# KiCad board gd MegaII proto pcb.kicad_pcb (continued)
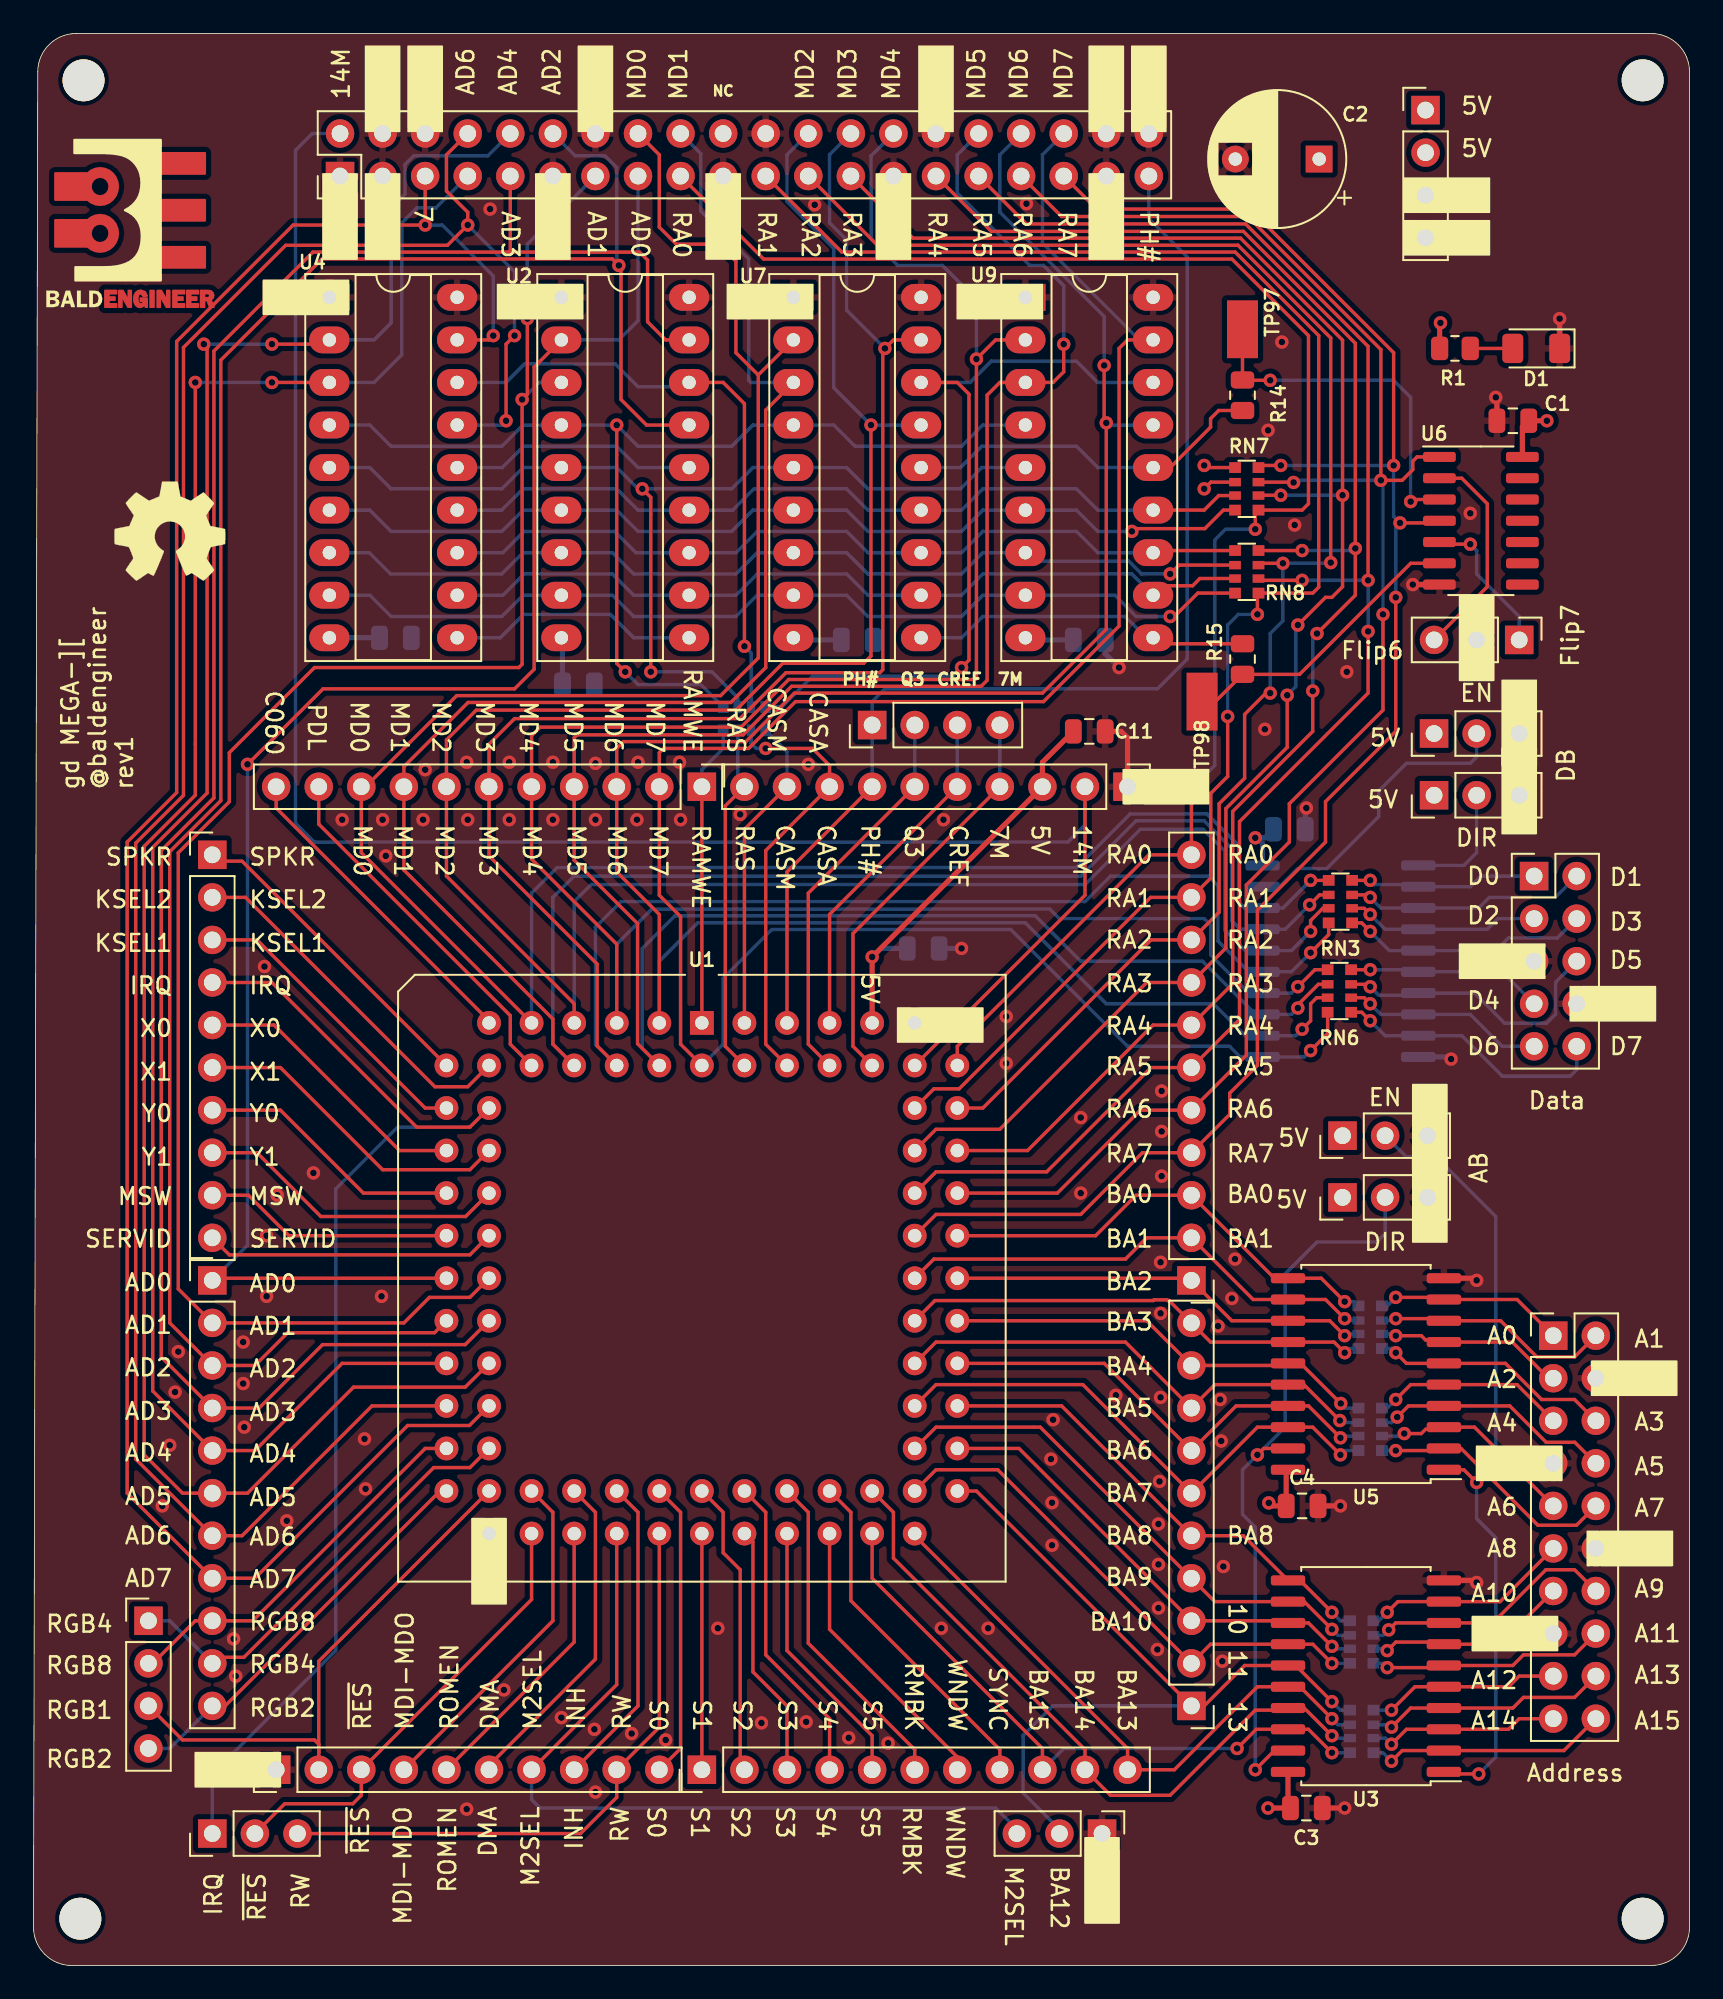
[diagram p0: board, top side]
## Routing (per net, layer and track width the routed paths; a pad name or vN(x,y) marks a point on that pad's centre or on a via; arc(x,y) is an arc through that point)
+5V: length 51.3
  Top w0.305: v1(73.7,27.61) 73.88,27.43 C4.1 74.74,29.48 U5.20 ; U1.77 v1(50.04,60.2) JP12.3 60.2,71.82 C11.1 ; v1(73.66,9.4) C3.1 74.85,9.54 U3.20 ; R1.1 83.9,98 v1(83.95,98.04) ; v1(90.3,92.2) C1.1 88.84,91.82 U6.14
  Bottom w0.305: C5.1 31.56,79.18 U2.9 ; 73.33,65.66 73.33,66.98 73,67.31 v1(72.9,67.31) 73.47,67.31 C8.1 ; U9.9 59.31,79.12 C9.1 ; C10.1 50.55,60.71 v1(50.04,60.2) ; C7.1 U4.9 ; 48.2,79.12 45.47,79.12 U7.9
GND: length 22.5
  Top w0.305: 84.15,22.99 85.98,22.99 v1(86.11,22.86) ; v1(91.06,98.3) 91.06,98.3 D1.1 ; C4.2 v1(77.98,27.43) ; U5.10 85.98,41.02 v1(86.11,40.89) ; C3.2 v1(78.23,9.4) ; v1(87.25,93.6) 87.31,93.53 C1.2 ; U6.7 v1(82.3,82.42) ; JP12.1 65.28,73.28 64.9,73.66 C11.2
  Bottom w0.305: v1(84.58,54.1) 84.45,54.23 U8.10 ; C8.2 75.88,69.02 v1(75.95,69.09) ; v1(64.77,77.47) 63.94,78.3 C9.2 ; C10.2 v1(55.37,60.71)
  vias: v1(7.68,27.43) v1(8.13,31.05) v1(8.45,34.23) v1(8.64,36.64) v1(11.94,19.49) v1(12.06,17.27) v1(12.51,37.21) v1(12.51,34.73) v1(12.57,32.13) v1(13.78,59.63) v1(13.91,43.56) v1(13.91,39.94) v1(14.54,45.97) v1(15.11,26.54) v1(16.7,47.31) v1(18.41,68.39) v1(19.75,31.43) v1(19.81,28.45) v1(20.76,39.94) v1(20.83,68.39) v1(21.02,66.23) v1(23.24,68.39) v1(23.37,71.37) v1(25.84,71.82) v1(25.84,9.33) v1(25.91,68.39) v1(27.24,104.84) v1(28.07,16.45) v1(28.38,71.82) v1(28.38,68.39) v1(30.99,71.82) v1(30.99,68.39) v1(31.5,14.8) v1(33.46,14.1) v1(33.53,71.76) v1(33.53,68.39) v1(33.53,10.35) v1(35.69,13.84) v1(36.07,71.82) v1(36,68.39) v1(37.72,13.46) v1(38.54,71.82) v1(38.61,68.39) v1(40.83,20.13) v1(42.16,68.71) v1(43.43,14.48) v1(46.1,14.54) v1(46.23,71.69) v1(46.61,105.09) v1(48.64,13.59) v1(50.99,13.27) v1(54.17,20.13) v1(54.29,68.39) v1(56.96,20.13) v1(58.04,56.64) v1(58.04,53.85) v1(59.25,105.16) v1(60.71,30.23) v1(60.77,27.62) v1(60.77,25.08) v1(60.83,32.58) v1(62.48,50.61) v1(62.48,46.1) v1(64.58,34.04) v1(67.06,18.86) v1(67.18,28.89) v1(67.12,26.35) v1(67.12,23.94) v1(67.12,21.34) v1(67.25,41.97) v1(67.25,38.93) v1(67.25,33.91) v1(67.31,52.2) v1(67.31,49.78) v1(67.31,47.12) v1(70.68,38.16) v1(70.8,33.78) v1(70.87,31.31) v1(70.93,18.16) v1(70.99,23.81) v1(71.5,39.81) v1(71.69,42.16) v1(73.47,73.79) v1(73.66,91.63) v1(74.49,96.9) v1(75.25,85.98) v1(78.36,77.22) v1(85.72,86.68)
/7M: length 24.4
  Top w0.203: 50.04,53.72 48.89,54.86 48.89,61.6 JP12.4
  Bottom w0.203: J12.4 JP12.4
/14M: length 114.4
  Top w0.203: 52.58,53.72 62.74,63.88 JP12.2
  Bottom w0.203: J7.2 16.64,109.35 15.63,108.34 15.63,68.19 16.76,67.06 61.72,67.06 62.74,68.07 JP12.2
/A0: length 11.4
  Top w0.203: J9.1 88.52,39.75 U5.9 84.03,39.88 v1(81.28,39.88)
  Bottom w0.203: RN1.1 80.77,39.37 v1(81.28,39.88)
/A1: length 14.3
  Top w0.203: v1(81.28,38.61) 84.03,38.61 U5.8 87.54,38.48 89.7,36.32 91.95,36.32 J9.2
  Bottom w0.203: v1(81.28,38.61) 81.17,38.5 RN1.2
/A2: length 11.3
  Top w0.203: J9.3 90.39,35.05 88.24,37.21 U5.7 84.03,37.34 83.06,37.34 82.8,37.59 v1(81.28,37.59)
  Bottom w0.203: RN1.3 81.17,37.7 v1(81.28,37.59)
/A3: length 14.6
  Top w0.203: J9.6 91.95,33.78 89.98,33.78 87.82,35.94 U5.6 81.91,35.94 v1(81.28,36.58)
  Bottom w0.203: RN1.4 81.03,36.83 v1(81.28,36.58)
/A4: length 11.7
  Top w0.203: J9.5 88.52,34.67 U5.5 82.17,34.67 v1(81.28,33.78)
  Bottom w0.203: v1(81.28,33.78) 80.77,33.27 RN4.1
/A5: length 14.6
  Top w0.203: J9.8 91.96,31.23 90.25,31.23 88.08,33.4 U5.4 82.04,33.4 v1(81.37,32.73)
  Bottom w0.203: RN4.2 81.04,32.4 v1(81.37,32.73)
/A6: length 12.4
  Top w0.203: v1(81.79,31.75) 82.8,31.75 83.06,32 84.03,32 U5.3 85.98,32.13 J9.9
  Bottom w0.203: v1(81.79,31.75) 81.64,31.6 RN4.3
/A7: length 15.2
  Top w0.203: v1(81.28,30.73) 84.03,30.73 U5.2 85.18,30.86 89.76,26.28 92.06,26.28 J9.10
  Bottom w0.203: RN4.4 v1(81.28,30.73)
/A8: length 12.5
  Top w0.203: J9.11 87.5,21.72 U3.9 81.41,21.72 v1(80.77,21.08)
  Bottom w0.203: v1(80.77,21.08) 80.26,20.57 RN2.1
/A9: length 15.4
  Top w0.203: v1(80.86,20.03) 81.27,20.45 U3.8 87.06,20.45 90.24,23.62 91.95,23.62 J9.14
  Bottom w0.203: RN2.2 80.53,19.7 v1(80.86,20.03)
/A10: length 12.4
  Top w0.203: J9.13 87.5,19.18 U3.7 84.03,19.3 81.28,19.3 v1(80.77,18.8)
  Bottom w0.203: RN2.3 80.66,18.9 v1(80.77,18.8)
/A11: length 14.2
  Top w0.203: v1(80.77,17.78) 84.03,17.78 U3.6 88.26,17.91 88.9,18.54 91.95,18.54 J9.16
  Bottom w0.203: RN2.4 80.52,18.03 v1(80.77,17.78)
/A12: length 11.6
  Top w0.203: J9.17 88.65,17.27 88.01,16.64 82.42,16.64 v1(81.03,15.24)
  Bottom w0.203: RN5.1 v1(81.03,15.24)
/A13: length 14.6
  Top w0.203: J9.18 91.95,16 88.9,16 88.26,15.37 U3.4 82.17,15.37 v1(81.03,14.22)
  Bottom w0.203: RN5.2 80.88,14.37 v1(81.03,14.22)
/A14: length 11.5
  Top w0.203: J9.19 88.65,14.73 88.01,14.1 U3.3 81.91,14.1 v1(81.03,13.21)
  Bottom w0.203: v1(81.03,13.21) 80.66,13.57 RN5.3
/A15: length 14.5
  Top w0.203: J9.20 91.31,12.83 U3.2 81.66,12.83 v1(81.03,12.19)
  Bottom w0.203: RN5.4 80.52,12.7 v1(81.03,12.19)
/ABDIR: length 47.6
  Top w0.203: v1(86.23,11.43) 84.28,11.43 U3.1 ; v1(86.11,28.83) 85.34,29.59 U5.1
  Bottom w0.203: v1(86.23,11.43) 87.25,12.45 87.25,25.53 86.11,26.67 v1(86.11,28.83) 87.25,29.97 87.25,44.7 83.68,48.27 81.9,48.27 J1.2
/ABEN: length 44.5
  Top w0.203: U5.19 73.41,30.86 v1(73.03,30.48) ; U3.19 74.04,12.83 v1(72.9,11.68)
  Bottom w0.203: v1(72.9,11.68) 72.9,26.16 72.14,26.92 72.14,29.59 v1(73.03,30.48) 74.68,32.13 74.68,41.28 76.58,43.18 80.14,43.18 80.64,43.69 J2.2
/AD0: length 99.2
  Top w0.203: v1(12.77,71.69) 17.27,76.2 28.7,76.2 29.87,77.37 29.87,95.4 U2.2 ; U1.22 10.79,41.02 JP4.1
  Bottom w0.203: U2.2 34.92,97.03 36.07,98.17 J7.15 ; v1(12.77,71.69) 12.77,42.99 JP4.1
/AD1: length 107.1
  Top w0.203: v1(29.46,98.3) 29.46,93.78 v1(29.15,93.47) 29.15,77.67 28.96,77.47 16.76,77.47 11.68,72.39 11.68,69.46 8.64,66.41 8.64,40.39 JP4.2 22.1,38.35 23.62,39.88 26.03,39.88 U1.23
  Bottom w0.203: v1(29.46,98.3) 29.46,102.74 J7.13 ; U2.3 30.17,94.49 v1(29.15,93.47)
/AD2: length 127.1
  Top w0.203: U1.24 23.93,37.77 15.16,37.77 13.21,35.81 JP4.3 8.13,38.35 8.13,66.48 11.18,69.53 11.18,95.82 17.21,101.86 34.54,101.86 v1(34.92,101.47) 35.05,101.35 35.05,93.47 36.58,91.95 U2.15
  Bottom w0.203: v1(34.92,101.47) 34.8,101.6 34.8,107.32 34.1,108.01 32.32,108.01 J7.12
/AD3: length 124
  Top w0.203: U2.17 37.72,97.03 36.64,98.11 36.64,101.79 36.16,102.27 28.35,102.27 ; 28.35,102.27 16.67,102.27 10.76,96.36 10.76,69.69 7.62,66.55 7.62,36.32 JP4.4 13.46,33.27 17.25,37.06 25.76,37.06 U1.25 ; 28.35,102.27 28.45,102.36 J7.9
/AD4: length 113.6
  Top w0.203: 24.64,35.94 18.41,35.94 13.21,30.73 JP4.5 7.11,34.29 7.11,66.74 10.36,69.98 10.36,96.58 v1(10.16,96.77) ; v1(14.22,96.77) 17.4,96.77 U4.2
  Bottom w0.203: v1(10.16,96.77) v1(14.22,96.77) ; J7.10 27.11,108.01 22.68,108.01 22.16,107.49 22.16,105.73 21.34,104.9 21.34,98.04 20.32,97.03 U4.2
/AD5: length 116
  Top w0.203: v1(14.22,94.49) U4.3 ; 27.18,35.94 25.76,34.52 19.09,34.52 12.77,28.19 JP4.6 8.89,28.19 6.6,30.48 6.6,66.8 9.65,69.85 v1(9.65,94.49)
  Bottom w0.203: J7.7 24,104.9 22.86,104.9 21.97,104.01 21.97,96.14 20.32,94.49 U4.3 ; v1(9.65,94.49) v1(14.22,94.49)
/AD6: length 133.8
  Top w0.203: U1.28 20.19,33.4 12.45,25.65 JP4.7 6.1,30.23 6.1,66.99 8.95,69.84 8.95,96.58 15.04,102.67 24.7,102.67 v1(25.91,103.89) 25.91,104.65 24.64,105.92 24.64,108.08 J7.8 ; v1(28.19,92.2) 28.19,96.77 v1(28.7,97.28)
  Bottom w0.203: v1(25.91,103.89) 28.7,101.09 v1(28.7,97.28) ; v1(28.19,92.2) 27.94,91.95 U4.15
/AD7: length 129.7
  Top w0.203: U4.17 27.18,97.03 v1(27.43,97.28) ; J7.5 v1(23.37,103.89) 15.49,103.89 8.54,96.93 8.54,70.01 5.59,67.06 5.59,28.19 JP4.8 13.21,23.11 22.33,32.23 26.01,32.23 U1.29
  Bottom w0.203: v1(23.37,103.89) 24.38,103.89 27.43,100.84 v1(27.43,97.28)
/BA0: length 27.7
  Top w0.203: U1.66 63.37,43.56 65.79,45.97 JP15.3 74.04,41.02 U5.11 76.84,41.02 v1(78.23,39.62)
  Bottom w0.203: RN1.8 78.8,39.62 v1(78.23,39.62)
/BA1: length 29.5
  Top w0.203: v1(78.23,38.61) 77.09,39.75 U5.12 72.77,39.75 JP15.2 66.42,43.43 65.15,42.16 53.72,42.16 U1.65
  Bottom w0.203: RN1.7 78.34,38.5 v1(78.23,38.61)
/BA2: length 25.4
  Top w0.203: U1.64 68.96,41.02 JP15.1 71.5,38.48 U5.13 77.34,38.48 v1(78.23,37.59)
  Bottom w0.203: RN1.6 78.34,37.7 v1(78.23,37.59)
/BA3: length 28.4
  Top w0.203: U1.63 53.78,39.69 66.82,39.69 66.86,39.73 67.63,39.73 67.68,39.69 67.75,39.69 JP16.10 70.23,37.21 U5.14 77.6,37.21 v1(78.23,36.58)
  Bottom w0.203: v1(78.23,36.58) 78.49,36.83 RN1.5
/BA4: length 26.2
  Top w0.203: v1(78,33.55) 75.6,35.94 U5.15 74.72,35.81 JP16.9 66.42,38.48 U1.62
  Bottom w0.203: v1(78,33.55) 78.27,33.27 RN4.8
/BA5: length 30.2
  Top w0.203: v1(77.94,32.53) 75.8,34.67 U5.16 70.48,34.67 JP16.8 65.15,37.21 53.85,37.21 52.58,35.94
  Bottom w0.203: RN4.7 78.07,32.4 v1(77.94,32.53)
/BA6: length 28
  Top w0.203: v1(77.98,31.5) 76.07,33.4 U5.17 71.75,33.4 JP16.7 63.88,35.94 55.12,35.94
  Bottom w0.203: v1(77.98,31.5) 78.09,31.6 RN4.6
/BA7: length 32.1
  Top w0.203: v1(77.98,30.48) 76.33,32.13 U5.18 73.03,32.13 JP16.6 62.61,34.67 53.85,34.67 U1.59
  Bottom w0.203: v1(77.98,30.48) 78.23,30.73 RN4.5
/BA8: length 28.7
  Top w0.203: U1.58 61.34,33.4 JP16.5 72.19,25.65 74.85,22.99 75.56,22.99 v1(77.47,21.08)
  Bottom w0.203: RN2.8 77.98,20.57 v1(77.47,21.08)
/BA9: length 31.6
  Top w0.203: v1(77.47,20.07) 75.82,21.72 U3.12 70.48,21.72 JP16.4 60.07,32.13 53.85,32.13 U1.57
  Bottom w0.203: v1(77.47,20.07) 77.83,19.7 RN2.7
/BA10: length 28.4
  Top w0.203: v1(77.47,19.05) 76.07,20.45 U3.13 74.72,20.57 JP16.3 58.8,30.86 U1.56
  Bottom w0.203: v1(77.47,19.05) 77.62,18.9 RN2.6
/BA11: length 32.2
  Top w0.203: v1(77.47,18.03) 76.33,19.18 U3.14 70.23,19.18 JP16.2 57.53,29.59 53.85,29.59 U1.55
  Bottom w0.203: RN2.5 v1(77.47,18.03)
/BA12: length 48.5
  Top w0.203: U1.54 56.26,28.32 JP16.1 69.85,15.49 72.26,17.91 U3.15 75.31,17.91 v1(77.47,15.75)
  Bottom w0.203: JP16.1 60.81,15.49 59.04,13.73 59.04,10.3 61.47,7.87 ; v1(77.47,15.75) 77.98,15.24 RN5.8
/BA13: length 35.6
  Top w0.203: v1(77.47,14.73) 75.56,16.64 73.03,16.64 68.07,11.68 JP11.11 65.28,12.95 52.58,25.65 U1.53
  Bottom w0.203: RN5.7 77.83,14.37 v1(77.47,14.73)
/BA14: length 41.2
  Top w0.203: v1(77.47,13.72) 75.82,15.37 U3.17 74.72,15.24 72.9,15.24 67.82,10.16 64.26,10.16 JP11.10 62.74,12.89 51.31,24.32 51.31,27.05 U1.52
  Bottom w0.203: RN5.6 77.62,13.57 v1(77.47,13.72)
/BA15: length 38.2
  Top w0.203: U1.51 50.04,23.11 60.2,12.95 JP11.9 ; v1(71.81,12.95) 72.96,14.1 U3.18 76.07,14.1 v1(77.47,12.7)
  Bottom w0.203: v1(71.81,12.95) 61.47,12.95 JP11.9 ; RN5.5 v1(77.47,12.7)
/C060-67: length 19.4
  Top w0.203: U1.11 27.18,56.39 14.48,69.09 JP8.11
/CASA: length 26
  Top w0.203: 44.96,53.72 43.69,54.99 43.69,66.55 JP12.8 47.5,71.63 46.48,72.64 v1(43.69,72.64)
  Bottom w0.203: v1(43.69,72.64) 43.12,72.64 42.82,72.95 RN9.2
/CASA.B: length 37.1
  Top w0.203: v1(42.42,78.74) 42.42,93.22 41.15,94.49 U2.16
  Bottom w0.203: RN9.7 42.82,78.34 v1(42.42,78.74) ; U2.16 38.86,94.23 36.07,94.23 34.71,95.59 29.3,95.59 28.19,94.49 U4.16
/CASM: length 19
  Top w0.203: U1.83 42.42,67.82 JP12.9
  Bottom w0.203: JP12.9 44.96,72.45 RN9.1
/CASM.B: length 47.2
  Top w0.203: U7.16 55.12,94.49 55.82,93.79 55.82,77.91 v1(55.37,77.47)
  Bottom w0.203: U7.16 55.88,94.49 57.15,95.76 62.23,95.76 63.5,94.49 U9.16 ; RN9.8 44.64,75.12 46.48,76.96 54.86,76.96 v1(55.37,77.47)
/CREF: length 20.9
  Top w0.203: U1.79 47.5,62.74 JP12.5
  Bottom w0.203: J12.3 JP12.5
/D0: length 11.3
  Top w0.203: RN3.4 v1(79.76,64.77)
  Bottom w0.203: v1(79.76,64.77) 80.01,64.52 82.5,64.52 U8.2 85.72,64.39 86.36,65.02 J10.1
/D1: length 14.5
  Top w0.203: RN3.3 79.61,63.9 v1(79.76,63.75)
  Bottom w0.203: v1(79.76,63.75) 80.39,63.12 U8.3 86.23,63.12 86.87,63.75 90.81,63.75 J10.2
/D2: length 11.6
  Top w0.203: v1(79.76,62.74) 79.39,63.1 RN3.2
  Bottom w0.203: J10.3 87.38,62.48 86.74,61.85 U8.4 80.64,61.85 v1(79.76,62.74)
/D3: length 14.9
  Top w0.203: v1(79.76,61.72) 79.25,62.23 RN3.1
  Bottom w0.203: J10.4 90.92,61.33 88,61.33 87.25,60.58 80.9,60.58 v1(79.76,61.72)
/D4: length 11.8
  Top w0.203: RN6.4 v1(79.76,59.44)
  Bottom w0.203: J10.7 87.63,59.31 U8.6 82.5,59.44 v1(79.76,59.44)
/D5: length 17.2
  Top w0.203: RN6.3 79.61,58.57 v1(79.76,58.42)
  Bottom w0.203: v1(79.76,58.42) 80.26,57.91 82.5,57.91 U8.7 85.98,58.04 87.77,56.25 90.29,56.25 90.82,56.78 90.82,58.69 J10.6
/D6: length 12.1
  Top w0.203: v1(79.76,57.4) 79.39,57.77 RN6.2
  Bottom w0.203: J10.9 87.63,54.86 85.72,56.77 U8.8 80.39,56.77 v1(79.76,57.4)
/D7: length 16.6
  Top w0.203: RN6.1 79.25,56.9 v1(79.76,56.39)
  Bottom w0.203: J10.10 92.07,53.47 91.69,53.09 87.63,53.09 85.22,55.5 80.64,55.5 v1(79.76,56.39)
/DBDIR: length 7.2
  Bottom w0.203: 82.63,65.66 85.34,65.66 86.11,66.42 J4.2
/DBEN: length 18.3
  Bottom w0.203: J5.2 86.11,72.14 85.72,71.76 81.91,71.76 80.26,70.1 80.26,68.58 77.16,65.47 75.44,65.47 74.35,64.39 U8.19
/DMA: length 19.8
  Top w0.203: U1.38 33.53,27.05 33.53,18.29 27.18,11.94 JP7.6
/FLIP6: length 12.9
  Top w0.203: J3.3 86.74,82.3 86.74,87.25 85.22,88.77 U6.2
/FLIP7: length 8.8
  Top w0.203: v1(85.72,84.84) 84.01,84.84 U6.5
  Bottom w0.203: v1(85.72,84.84) 86.11,84.46 86.11,83.06 88.65,80.52 J3.1
/INH: length 18.7
  Top w0.203: JP7.8 36.07,15.49 36.07,27.05 U1.40
/IRQ: length 73.2
  Top w0.203: U1.15 26.03,50.04 22.86,50.04 14.22,58.67 JP3.4
  Bottom w0.203: U1.15 26.03,50.04 21.72,50.04 18.03,46.36 18.03,18.8 10.67,11.43 J6.1
/KSEL1: length 21.7
  Top w0.203: 27.18,53.72 25.91,52.45 23.95,52.45 12.65,63.75 JP3.2
/KSEL2: length 18.1
  Top w0.203: JP3.3 13.33,61.21 23.37,51.18 U1.14
/M2SEL: length 48
  Top w0.203: JP7.7 34.8,16.76 U1.39
  Bottom w0.203: 58.93,7.87 57.4,9.4 30.23,9.4 29.72,9.91 JP7.7
/MD0: length 147.2
  Top w0.203: J7.16 37.34,108.08 37.34,103.76 38.35,102.74 40.89,102.74 41.91,101.73 41.91,96.27 43.24,94.93 ; 43.24,94.93 43.24,78.04 41,75.79 25.25,75.79 19.81,70.36 JP8.9 19.56,66.42 U1.9 ; 43.24,94.93 U7.2 46.35,97.03 ; RN3.5 v1(76.2,64.77)
  Bottom w0.203: U1.9 29.72,64.01 31.24,65.53 62.23,65.53 65.43,68.73 70.02,68.73 71.89,66.86 71.89,63.49 72.26,63.12 U8.18 74.55,63.12 v1(76.2,64.77)
/MD1: length 147.7
  Top w0.203: U7.3 43.69,92.84 43.69,77.47 41.61,75.39 25.93,75.39 22.1,71.56 JP8.8 22.1,65.38 30.99,56.49 30.99,54.99 32.26,53.72 ; RN3.6 76.73,63.9 v1(76.14,63.31)
  Bottom w0.203: 32.26,53.72 30.99,54.99 30.99,63.75 32.26,65.02 62.48,65.02 65.79,68.33 69.85,68.33 71.49,66.69 71.49,62.37 72.01,61.85 U8.17 74.68,61.85 v1(76.14,63.31) ; U7.3 42.8,94.49 42.67,94.62 42.67,101.85 39.81,104.71 39.81,108.14 J7.18
/MD2: length 145.5
  Top w0.203: v1(76.2,61.72) 76.2,62.37 76.93,63.1 RN3.7 ; U1.7 32.26,57.4 24.64,65.02 JP8.7 24.64,73.15 26.42,74.93 41.91,74.93 44.7,77.72 49.53,77.72 49.97,78.16 v1(49.97,91.95)
  Bottom w0.203: v1(76.2,61.72) 75.06,60.58 72.3,60.58 71.08,61.8 71.08,66.52 69.78,67.82 66.04,67.82 62.74,64.52 33.27,64.52 32.26,63.5 U1.7 ; J7.24 44.96,108.08 44.96,105.28 47.75,102.49 47.75,94.16 v1(49.97,91.95) U7.15
/MD3: length 144.1
  Top w0.203: 34.8,53.72 33.63,54.89 33.63,59.78 27.18,66.23 JP8.6 27.18,72.9 28.7,74.42 42.15,74.42 44.89,77.17 50.5,77.17 50.67,77.34 50.67,96.39 v1(50.8,96.52) 51.31,97.03 U7.17 ; v1(76.2,60.45) 77.28,61.53 RN3.8
  Bottom w0.203: J7.26 47.5,108.08 47.5,104.01 48.51,103 48.51,98.81 v1(50.8,96.52) ; U8.15 72.52,59.31 70.68,61.15 70.68,64.45 70.1,65.02 64.26,65.02 62.74,63.5 35.05,63.5 33.53,61.98 33.53,54.99 34.8,53.72 ; U8.15 75.06,59.31 v1(76.2,60.45) ; U8.15 72.93,59.31
/MD4: length 139.5
  Top w0.203: U9.2 57.4,97.03 v1(56.26,95.89) 56.26,76.84 56.18,76.76 45.06,76.76 42.22,73.91 30.23,73.91 29.72,73.41 JP8.5 29.72,66.04 34.8,60.96 U1.5 ; RN6.5 76.45,59.44 v1(75.44,58.42)
  Bottom w0.203: v1(56.26,95.89) 56.26,99.44 54.23,101.47 51.56,101.47 49.97,103.06 49.97,108.01 J7.28 ; U1.5 34.8,60.96 36.89,63.06 60.64,63.06 61.21,62.48 69.85,62.48 70.24,62.09 70.24,60.31 72.52,58.04 U8.14 75.06,58.04 v1(75.44,58.42)
/MD5: length 140.1
  Top w0.203: RN6.6 76.66,58.57 75.44,57.34 v1(75.44,57.15) ; v1(61.47,96.77) 61.47,95.12 60.83,94.49 U9.3 57.66,94.49 56.9,93.73 56.9,76.71 56.54,76.35 45.23,76.35 42.34,73.46 32.44,73.46 32.26,73.28 JP8.4 32.26,65.97 36.04,62.19 36.04,55.02 37.34,53.72
  Bottom w0.203: J7.32 55.12,108.08 55.12,105.79 59.44,101.47 60.26,101.47 61.47,100.26 v1(61.47,96.77) ; 37.34,53.72 36.32,54.74 36.32,60.71 38.27,62.65 59.78,62.65 62.48,59.94 69.75,59.94 72.93,56.77 U8.13 75.06,56.77 v1(75.44,57.15)
/MD6: length 134.2
  Top w0.203: v1(63.88,95.5) 63.88,92.2 v1(64.01,92.08) 64.01,79.76 60.2,75.95 45.4,75.95 42.5,73.05 35.2,73.05 34.8,72.64 JP8.3 34.8,65.28 37.34,62.74 U1.3 ; v1(75.69,55.88) 76.2,56.39 76.2,57.4 76.56,57.77 RN6.7
  Bottom w0.203: v1(64.01,92.08) 64.13,91.95 U9.15 ; 37.46,56.26 U1.3 37.34,59.94 39.64,62.24 59.17,62.24 64.01,57.4 70.4,57.4 72.3,55.5 75.31,55.5 v1(75.69,55.88) ; J7.34 57.66,108.08 57.66,104.65 63.88,98.43 v1(63.88,95.5)
/MD7: length 133.2
  Top w0.203: v1(76.2,54.61) 77.22,55.63 RN6.8 ; 39.88,53.72 38.61,54.99 38.61,62.61 37.34,63.88 JP8.2 37.34,72.39 37.59,72.64 42.67,72.64 45.47,75.44 60.26,75.44 64.77,79.94 64.77,96.52 65.28,97.03 U9.17
  Bottom w0.203: J7.36 60.2,108.08 60.2,102.81 65.98,97.03 U9.17 ; 39.88,53.72 41.15,54.99 41.15,58.93 44.06,61.84 58.3,61.84 65.28,54.86 71.37,54.86 72.01,54.23 U8.11 75.82,54.23 v1(76.2,54.61)
/MDI-MDO: length 20.8
  Top w0.203: JP7.4 30.99,20.57 30.99,27.05 U1.36
/MSW: length 15
  Top w0.203: U1.20 15.24,43.56 12.83,45.97 JP3.9
/PDLTRIG: length 21.9
  Top w0.203: JP8.10 17.02,68.13 28.45,56.7 28.45,54.99 29.72,53.72
/PH#: length 71
  Top w0.203: JP12.7 44.96,65.28 U1.81
  Bottom w0.203: 50.04,73.91 50.04,75.44 50.8,76.2 67.06,76.2 68.83,77.98 68.83,101.98 66.55,104.27 J7.39 ; J12.1 JP12.7
/Q3: length 23.5
  Top w0.203: 47.5,53.72 46.23,54.99 46.23,64.01 JP12.6
  Bottom w0.203: J12.2 JP12.6
/R-W: length 36.7
  Top w0.203: J6.3 32.64,7.87 34.8,10.03 JP7.9 37.34,14.22 U1.41
/RA0: length 97.7
  Top w0.203: v1(69.22,70.36) 69.09,70.23 JP15.11 66.55,66.29 55.12,54.86 55.12,53.72 ; J7.17 43.56,101.85 71.5,101.85 76.07,97.28 76.07,87.25 75.69,86.87 RN7.1 72.9,86.68 v1(72.9,85.73)
  Bottom w0.203: v1(69.22,70.36) 70.48,71.63 70.48,85.09 71.12,85.73 v1(72.9,85.73)
/RA1: length 97.9
  Top w0.203: U1.73 53.72,52.32 55.22,52.32 66.65,63.75 JP15.10 70.24,64.91 70.24,69.97 71.25,70.97 v1(71.25,74.55) ; v1(73.03,80.65) 73.03,81.85 73.09,81.92 76.33,81.92 76.68,82.27 76.68,97.29 71.7,102.27 48.22,102.27 J7.21
  Bottom w0.203: v1(73.03,80.65) 71.88,80.65 71.25,80.01 v1(71.25,74.55)
/RA2: length 96
  Top w0.203: v1(77.4,83.73) 77.4,97.15 71.87,102.68 50.36,102.68 J7.23 ; RN8.3 73.2,83.69 v1(74.55,83.69) ; U1.72 56.64,51.18 66.67,61.21 JP15.9 70.74,62.87 70.74,69.34 72.26,70.87 72.26,74.68 73.53,75.95 v1(73.79,75.95)
  Bottom w0.203: v1(77.4,83.73) 77.36,83.69 v1(74.55,83.69) 74.55,80.26 73.79,79.5 v1(73.79,75.95)
/RA3: length 101.4
  Top w0.203: U1.71 53.85,49.91 57.66,49.91 66.42,58.67 JP15.8 71.15,60.73 71.15,69.05 74.8,72.71 v1(74.8,75.82) ; RN7.2 73.11,87.76 v1(74.42,87.76) ; J7.25 52.48,103.1 72.02,103.1 78.11,97.01 v1(78.11,87.76) 78.11,82.3 77.47,81.66 77.09,81.66 v1(75.44,80.01)
  Bottom w0.203: v1(74.42,87.76) v1(78.11,87.76) 78.1,87.76 ; v1(75.44,80.01) 75.31,79.88 75.31,76.33 v1(74.8,75.82)
/RA4: length 96.8
  Top w0.203: v1(76.58,79.5) 78.87,81.79 v1(78.87,84.58) 78.87,96.83 72.19,103.51 57.15,103.51 J7.29 ; U1.70 59.31,48.64 66.8,56.13 JP15.7 71.55,58.6 71.55,68.88 76.33,73.66 v1(76.33,76.07) ; v1(75.69,84.46) 73.09,84.46
  Bottom w0.203: v1(76.33,76.07) 76.33,79.25 v1(76.58,79.5) ; v1(75.69,84.46) 78.74,84.46 v1(78.87,84.58)
/RA5: length 101.1
  Top w0.203: v1(79.63,82.68) 79.63,96.64 72.32,103.95 59.25,103.95 J7.31 ; RN8.2 73.2,82.68 v1(75.69,82.68) ; v1(79.63,79.63) 79.63,75.95 71.96,68.28 71.96,56.46 JP15.6 66.67,53.59 60.45,47.37 53.85,47.37 U1.69
  Bottom w0.203: v1(79.63,79.63) v1(79.63,82.68) 79.63,82.68 v1(75.69,82.68)
/RA6: length 103.7
  Top w0.203: v1(80.52,80.65) 80.52,74.93 74.93,69.34 74.93,67.06 72.36,64.49 72.36,54.33 JP15.5 66.04,51.05 61.09,46.1 U1.68 ; U6.1 82.55,90.04 82.3,89.79 82.3,89.28 81.66,88.65 v1(80.39,88.65) 80.39,96.45 72.45,104.39 61.34,104.39 J7.33 ; RN7.3 75.17,88.54 v1(75.18,88.52)
  Bottom w0.203: v1(75.18,88.52) 75.31,88.65 v1(80.39,88.65) 80.52,88.52 v1(80.52,80.65)
/RA7: length 106.2
  Top w0.203: v1(81.53,86.11) 83.76,86.11 U6.4 ; U1.67 53.85,44.83 62.48,44.83 66.17,48.51 JP15.4 71.37,50.8 71.37,52.07 73.03,53.72 73.03,62.99 77.09,67.06 77.09,69.47 81.28,73.66 v1(81.28,81.66) ; RN7.4 73.22,89.54 v1(74.42,89.54) ; J7.35 63.44,104.84 72.58,104.84 81.15,96.27 v1(81.15,89.53)
  Bottom w0.203: v1(74.42,89.54) 81.15,89.54 v1(81.15,89.53) 81.15,86.49 v1(81.53,86.11) 81.28,85.85 v1(81.28,81.66)
/RAF0: length 58.2
  Top w0.203: v1(65.53,85.6) 65.7,85.76 69.89,85.76 70.99,86.87 RN7.8
  Bottom w0.203: v1(65.53,85.6) 63.5,85.6 62.23,86.87 U9.6 56.64,86.87 55.37,85.6 49.78,85.6 48.51,86.87 U7.6 42.93,86.87 41.66,85.6 36.07,85.6 34.8,86.87 U2.6 29.21,86.87 27.94,85.6 21.34,85.6 20.07,86.87 U4.6
/RAF1: length 58.3
  Top w0.203: 71.69,81.92 69.47,81.92 68.07,80.52 v1(67.82,80.52)
  Bottom w0.203: U4.8 20.07,81.79 21.34,80.52 27.94,80.52 29.21,81.79 U2.8 34.54,81.79 35.81,80.52 41.91,80.52 43.18,81.79 U7.8 48.51,81.79 49.78,80.52 55.37,80.52 56.64,81.79 U9.8 64.52,81.79 65.79,80.52 v1(67.82,80.52)
/RAF2: length 57.9
  Top w0.203: v1(67.82,83.06) 68.34,83.59 RN8.6
  Bottom w0.203: v1(67.82,83.06) 66.11,83.06 65.35,83.82 59.69,83.82 U9.7 56.64,84.33 55.37,83.06 49.78,83.06 48.51,84.33 U7.7 43.18,84.33 41.91,83.06 35.81,83.06 34.54,84.33 U2.7 29.21,84.33 27.94,83.06 21.3,83.06 20.03,84.33 U4.7
/RAF3: length 49.9
  Top w0.203: U9.13 69.85,86.87 70.72,87.74 RN7.7
  Bottom w0.203: U4.13 27.94,86.87 29.21,88.14 34.8,88.14 36.07,86.87 U2.13 41.72,86.87 42.99,88.14 48.51,88.14 49.78,86.87 U7.13 55.37,86.87 56.64,88.14 62.23,88.14 63.5,86.87 U9.13
/RAF4: length 49.6
  Top w0.203: 71.69,84.46 66.93,84.46 U9.12
  Bottom w0.203: U9.12 63.5,84.33 62.23,85.6 56.64,85.6 55.37,84.33 U7.12 49.78,84.33 48.51,85.6 43.18,85.6 41.91,84.33 U2.12 35.94,84.33 34.67,85.6 29.27,85.6 28,84.33 U4.12
/RAF5: length 50
  Top w0.203: U9.11 67.37,82.35 69.16,82.35 69.59,82.79 RN8.7
  Bottom w0.203: U4.11 28,81.79 29.27,83.06 34.54,83.06 35.81,81.79 U2.11 41.91,81.79 43.18,83.06 48.51,83.06 49.78,81.79 U7.11 55.37,81.79 56.64,83.06 65.53,83.06 U9.11
/RAF6: length 48.7
  Top w0.203: v1(69.85,88.14) 70.25,88.54 RN7.6
  In1.Cu w0.203: U2.14 39.12,88.4 39.38,88.14 v1(69.85,88.14)
  Bottom w0.203: U4.14 27.97,89.41 29.24,90.68 34.8,90.68 36.07,89.41 U2.14
/RAF7: length 55.6
  Top w0.203: RN7.5 69.98,89.41 v1(69.85,89.54)
  In2.Cu w0.203: U2.10 40.07,79.25 41.66,80.84 41.66,87.12 42.74,88.2 68.52,88.2 v1(69.85,89.54)
  Bottom w0.203: U4.10 27.84,79.25 29.24,80.65 34.42,80.65 35.81,79.25 U2.10
/RAMWE: length 18
  Top w0.203: U1.1 JP8.1
  Bottom w0.203: JP8.1 39.88,71.37 41.15,72.64 RN9.4
/RAS: length 21.1
  Top w0.203: JP12.10 41.28,69.22 41.28,54.86 42.42,53.72
  Bottom w0.203: JP12.10 42.02,70.76 RN9.3
/RAS.B: length 62.2
  Top w0.203: v1(36.32,88.14) 36.83,87.63 v1(36.83,77.22)
  Bottom w0.203: U9.5 56.58,89.41 55.31,88.14 49.78,88.14 48.51,89.41 U7.5 42.93,89.41 41.66,88.14 36.07,88.14 34.8,89.41 U2.5 29.21,89.41 27.94,88.14 21.34,88.14 20.07,89.41 U4.5 ; v1(36.83,77.22) 40.48,77.22 42.02,75.68 RN9.6
/RESET: length 27.1
  Top w0.203: J6.2 14.99,9.65 19.05,9.65 19.56,10.16 JP7.3 29.72,21.84 U1.35
/RGB1: length 32.5
  Top w0.203: 17.02,12.7 17.02,13.21 16.76,13.46 8.89,13.46 JP1.3 ; 17.02,12.7 JP7.2 ; 17.02,12.7 17.02,18.16 U1.34
/RGB2: length 24.1
  Top w0.203: JP4.11 11.43,15.49 24.26,28.32 U1.32
  Bottom w0.203: JP1.4 8.13,12.95 JP4.11
/RGB4: length 26.7
  Top w0.203: JP4.10 11.03,18.39 12.55,18.39 23.88,29.72 26.03,29.72 U1.31
  Bottom w0.203: JP4.10 8.13,20.57 JP1.1
/RGB8: length 23.1
  Top w0.203: U1.30 23.37,30.86 13.08,20.57 JP4.9 9.65,20.57 7.11,18.03 JP1.2
/RMBK: length 19.8
  Top w0.203: U1.48 46.23,27.05 46.23,19.24 52.58,12.89 JP11.6
/ROMEN: length 17.3
  Top w0.203: U1.37 32.26,19.3 JP7.5
/RWE.B: length 66.3
  Top w0.203: v1(34.8,91.95) 34.8,77.72 v1(35.31,77.22)
  Bottom w0.203: v1(35.31,77.22) 36.07,76.45 39.82,76.45 RN9.5 ; U9.4 56.64,91.95 55.37,90.68 49.02,90.68 47.75,91.95 U7.4 42.93,91.95 41.66,90.68 36.07,90.68 v1(34.8,91.95) U2.4 29.21,91.95 27.94,90.68 21.34,90.68 20.07,91.95 U4.4
/S0: length 17.7
  Top w0.203: JP7.10 38.61,12.95 38.61,27.05 U1.42
/S1: length 14.1
  Top w0.203: U1.43 JP11.1
/S2: length 17.7
  Top w0.203: JP11.2 42.16,11.94 42.16,23.62 41.15,24.64 41.15,27.05 U1.44
/S3: length 15.1
  Top w0.203: JP11.3 44.96,15.49 42.93,17.53 42.93,25.27 U1.45
/S4: length 18.7
  Top w0.203: U1.46 43.69,27.05 43.69,18.54 47.5,14.73 JP11.4
/S5: length 16.2
  Top w0.203: JP11.5 50.04,13.72 44.96,18.8 U1.47
/SERVIDEO: length 17.4
  Top w0.203: JP3.10 11.68,42.42 26.03,42.42 U1.21
/SPKR: length 19.2
  Top w0.203: 24.64,53.72 12.45,65.91 11.05,65.91 JP3.1
/SYNC: length 20.8
  Top w0.203: U1.50 48.77,27.05 48.77,21.78 57.66,12.89 JP11.8
/UM4-10: length 20.4
  Top w0.203: U9.10 67.16,78.89 R15.1
  Bottom w0.203: U9.10 66.4,79.25 65.13,80.52 56.64,80.52 55.37,79.25 U7.10
/UM4-14: length 21.9
  Top w0.203: R14.1 70.72,92.81 70.23,92.33 70.23,91.82 67.82,89.41 U9.14
  Bottom w0.203: U7.14 55.31,89.41 56.58,90.68 62.23,90.68 63.5,89.41 U9.14
/WINDOW: length 17.3
  Top w0.203: U1.49 47.5,20.07 55.12,12.45 JP11.7
/X0: length 17.1
  Top w0.203: U1.16 21.84,48.64 14.35,56.13 JP3.5
/X1: length 19.5
  Top w0.203: U1.17 26.03,47.5 20.83,47.5 14.73,53.59 JP3.6
/Y0: length 16
  Top w0.203: JP3.7 14.73,51.05 19.68,46.1 U1.18
/Y1: length 18.7
  Top w0.203: U1.19 25.78,44.7 17.14,44.7 13.33,48.51 JP3.8
Net-(D1-Pad2): length 2.5
  Top w0.203: R1.2 D1.2
Net-(R14-Pad2): length 21.5
  Top w0.203: v1(73.79,94.62) 72.16,94.62 R14.2 TP97.1 ; U6.3 82.3,87.5 v1(82.17,87.38)
  Bottom w0.203: v1(73.79,94.62) 81.15,94.62 82.17,93.6 v1(82.17,87.38)
Net-(R15-Pad2): length 17.6
  Top w0.203: TP98.1 70.51,75.44 R15.2 75.54,77.07 82.17,83.69 U6.6

## Copper pours and planes (outline as drawn; the poured copper is in the pictures)
+5V on In1.Cu: 100.84,-2.29 -3.3,-2.29 -3.3,119.63 100.84,119.63
GND on Top: 100.84,-2.29 -3.3,-2.29 -3.3,119.63 100.84,119.63
GND on Bottom: 100.84,-2.29 -3.3,-2.29 -3.3,119.63 100.84,119.63
GND on In2.Cu: 100.84,-2.29 -3.3,-2.29 -3.3,119.63 100.84,119.63

## Text on the board
B.Silkscreen: NC | 11 | 5 | 39 | 1 | 43 | 53 | RGB4 | RGB8 | RGB1 | RGB2 | SERVID | KSEL2 | KSEL1 | SPKR | MSW | AD0 | AD1 | AD2 | AD3 | AD4 | AD5 | AD6 | AD7 | IRQ | X0 | X1 | Y0 | Y1 | U4 | 12 | 24 | 32 | U2 | 2 | U7 | U9 | BA10 | RA0 | RA1 | RA2 | RA3 | RA4 | RA5 | RA6 | RA7 | BA0 | BA1 | BA2 | BA3 | BA4 | BA5 | BA6 | BA7 | BA8 | BA9 | BA11 | BA12 | Flip6 | 5V | D0 | D2 | D4 | D6 | A10 | A12 | A14 | A0 | A2 | A4 | A6 | A8 | D1 | D3 | D5 | D7 | A1 | A3 | A5 | A7 | A9 | A11 | A13 | A15 | This board (and this project) would not / happen without the help of / rjhelms. / Thank you! | ~{RES} | RW | 14M | MDI-MDO | ROMEN | DMA | M2SEL | INH | MD0 | MD1 | MD2 | MD3 | MD4 | MD5 | MD6 | MD7 | AB | DB | Flip7 | 44 | 64 | 54 | EN | DIR | Data | Address | C060 | PDL | 7 | S0 | S1 | RAMWE | S2 | RAS | CASM | S3 | S4 | CASA | PH# | S5 | RMBK | Q3 | WNDW | CREF | SYNC | 7M | BA15 | BA14 | BA13
F.Silkscreen: NC | PH# | Q3 | CREF | 7M | C060 | PDL | MD0 | MD1 | 7 | MD2 | MD3 | AD3 | MD4 | MD5 | AD1 | MD6 | AD0 | MD7 | S0 | RA0 | RAMWE | S1 | RAS | S2 | RA1 | CASM | S3 | RA2 | CASA | S4 | RA3 | 5V | S5 | RMBK | RA4 | WNDW | RA5 | SYNC | RA6 | BA15 | RA7 | 14M | BA14 | BA13 | 10 | 11 | 13 | RGB4 | RGB8 | RGB1 | RGB2 | SERVID | KSEL2 | KSEL1 | SPKR | MSW | AD2 | AD4 | AD5 | AD6 | AD7 | IRQ | X0 | X1 | Y0 | Y1 | BA10 | BA0 | BA1 | BA2 | BA3 | BA4 | BA5 | BA6 | BA7 | BA8 | BA9 | Flip6 | EN | DIR | D0 | D2 | D4 | D6 | A10 | A12 | A14 | A0 | A2 | A4 | A6 | A8 | Data | Address | D1 | D3 | D5 | D7 | A1 | A3 | A5 | A7 | A9 | A11 | A13 | A15 | gd MEGA-][ / @baldengineer / rev1 | ~{RES} | RW | MDI-MDO | ROMEN | DMA | M2SEL | INH | AB | DB | Flip7 | BA12
